# Altium PCB rev5.PcbDoc (part 1 of 4)
Units mil, origin at the board's own origin, x right, y up, seen from the top; angles counter-clockwise.
Board outline 1000 x 900 mil, 2 copper layers (Top Layer, Bottom Layer); 162 components, 16 nets, 1728 pads, 0 vias.
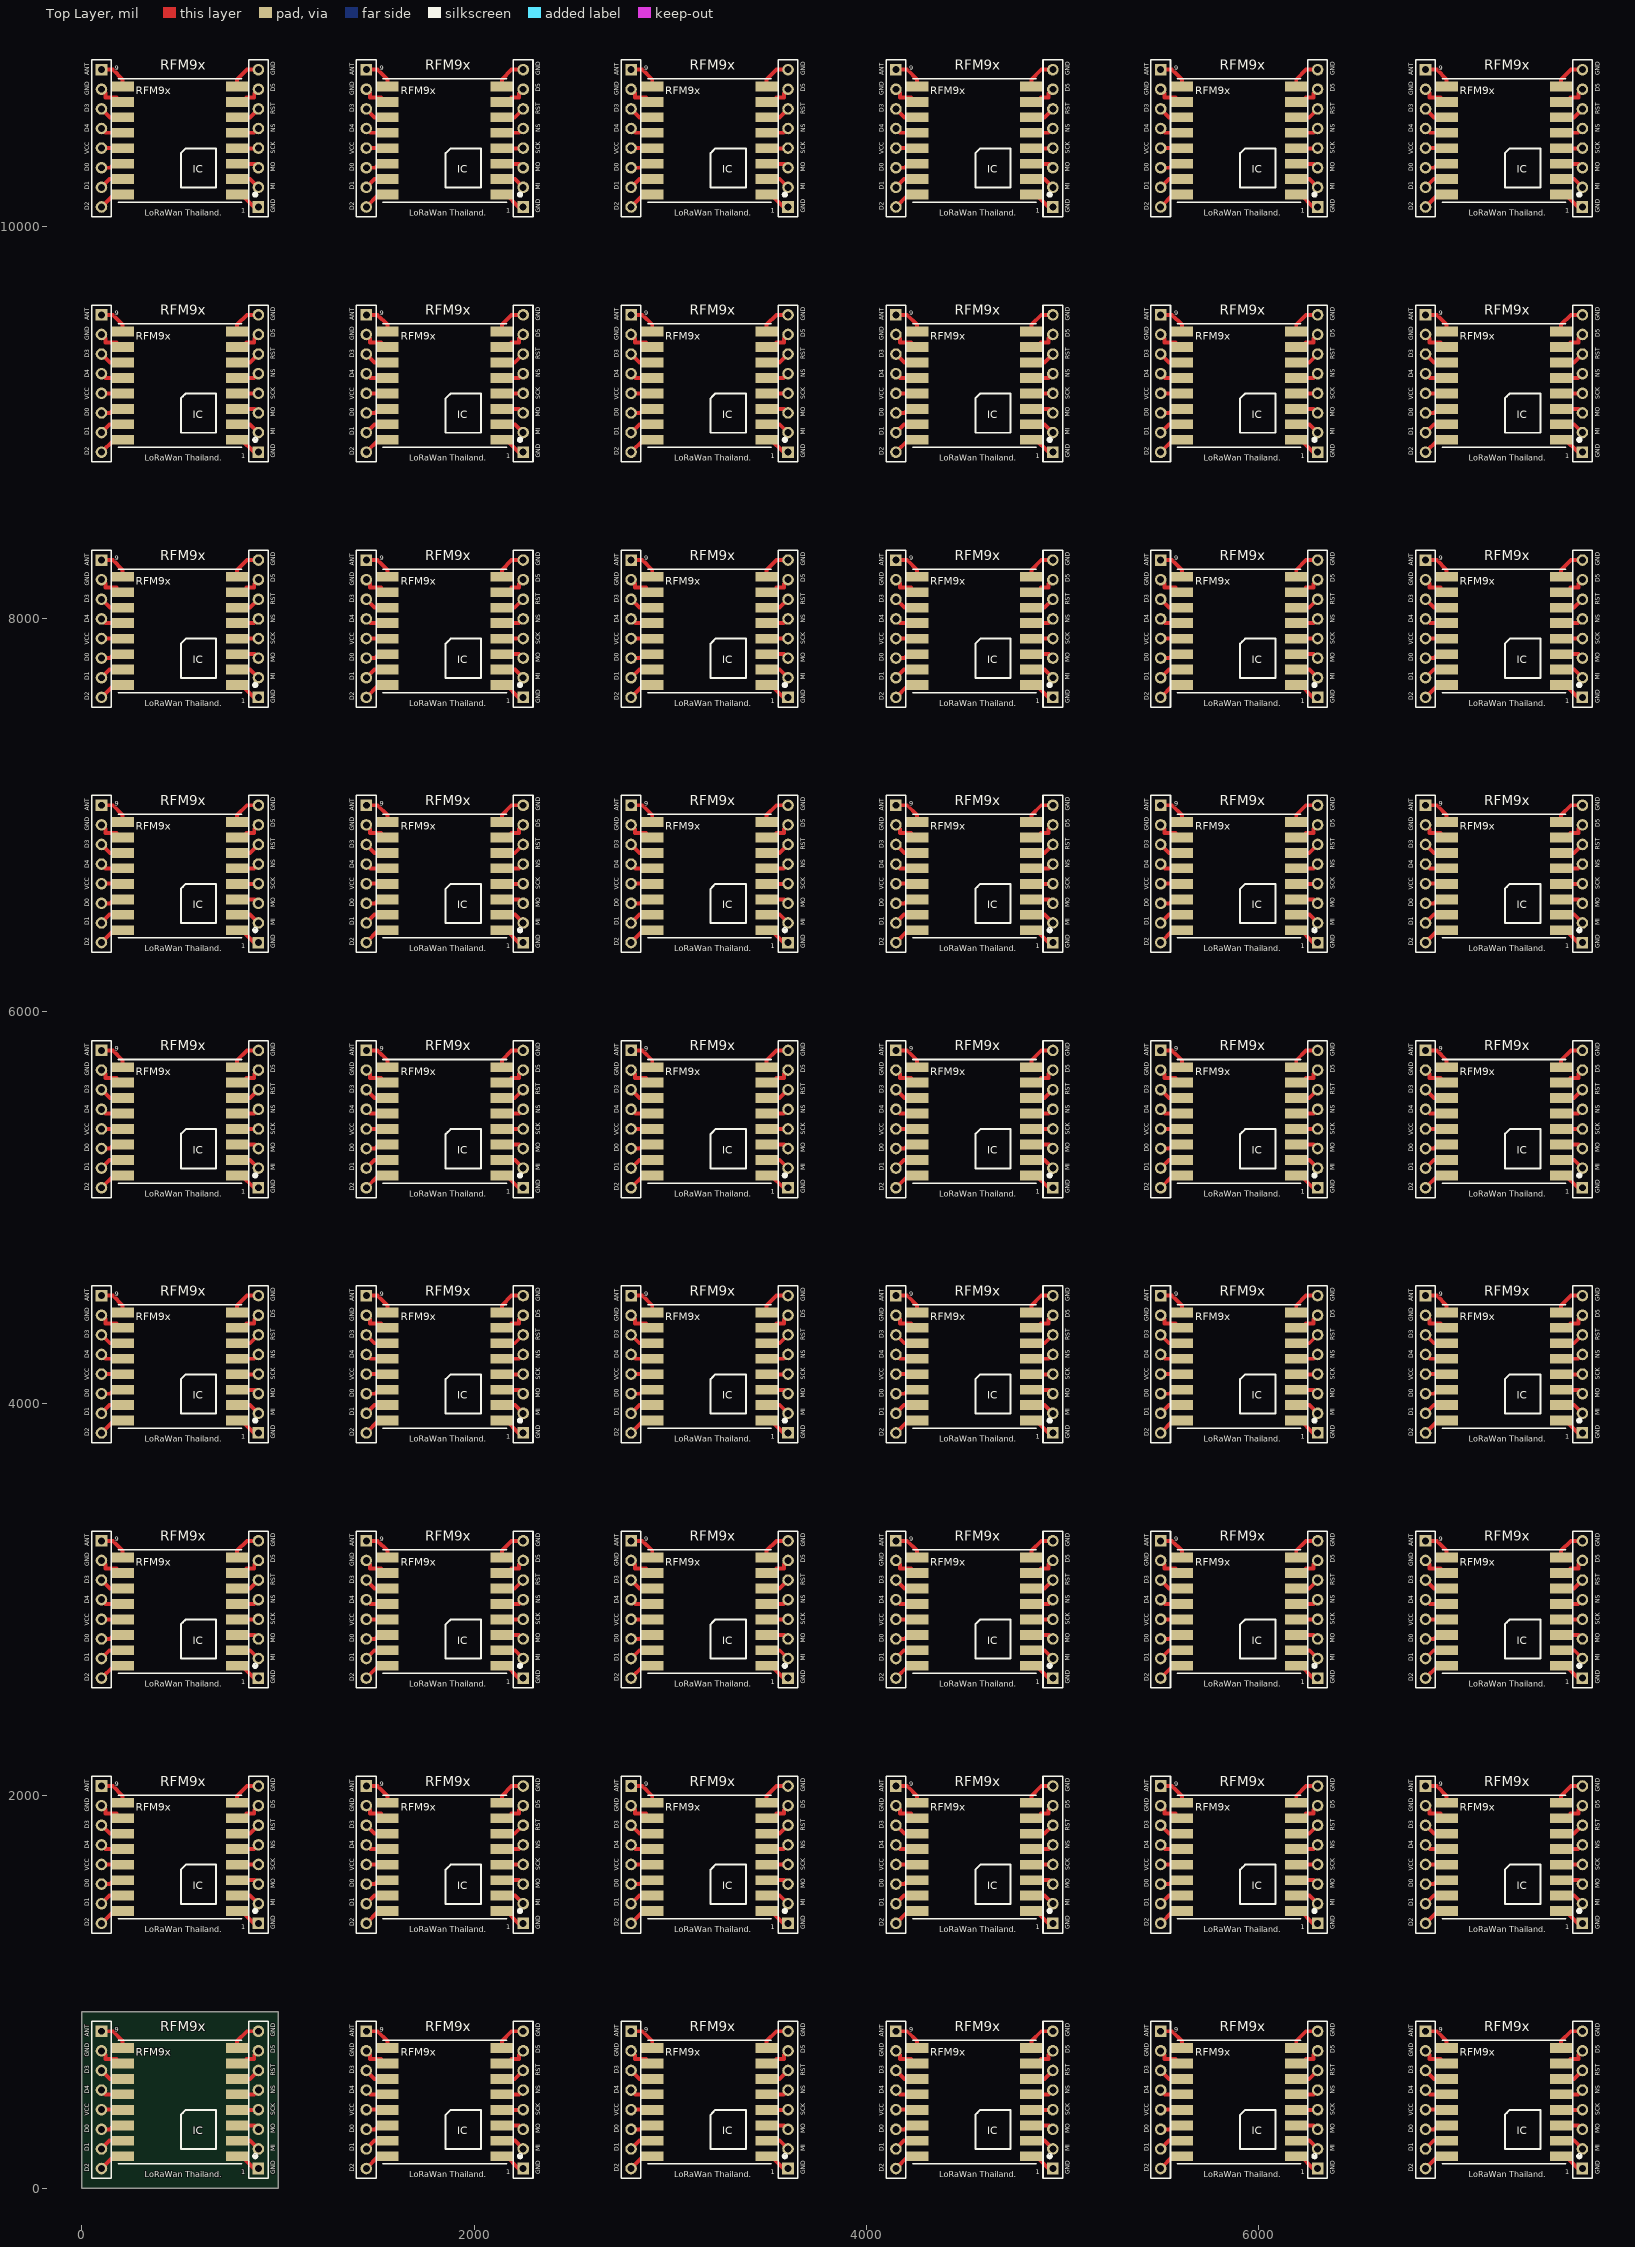
[diagram p0: Top Layer view]
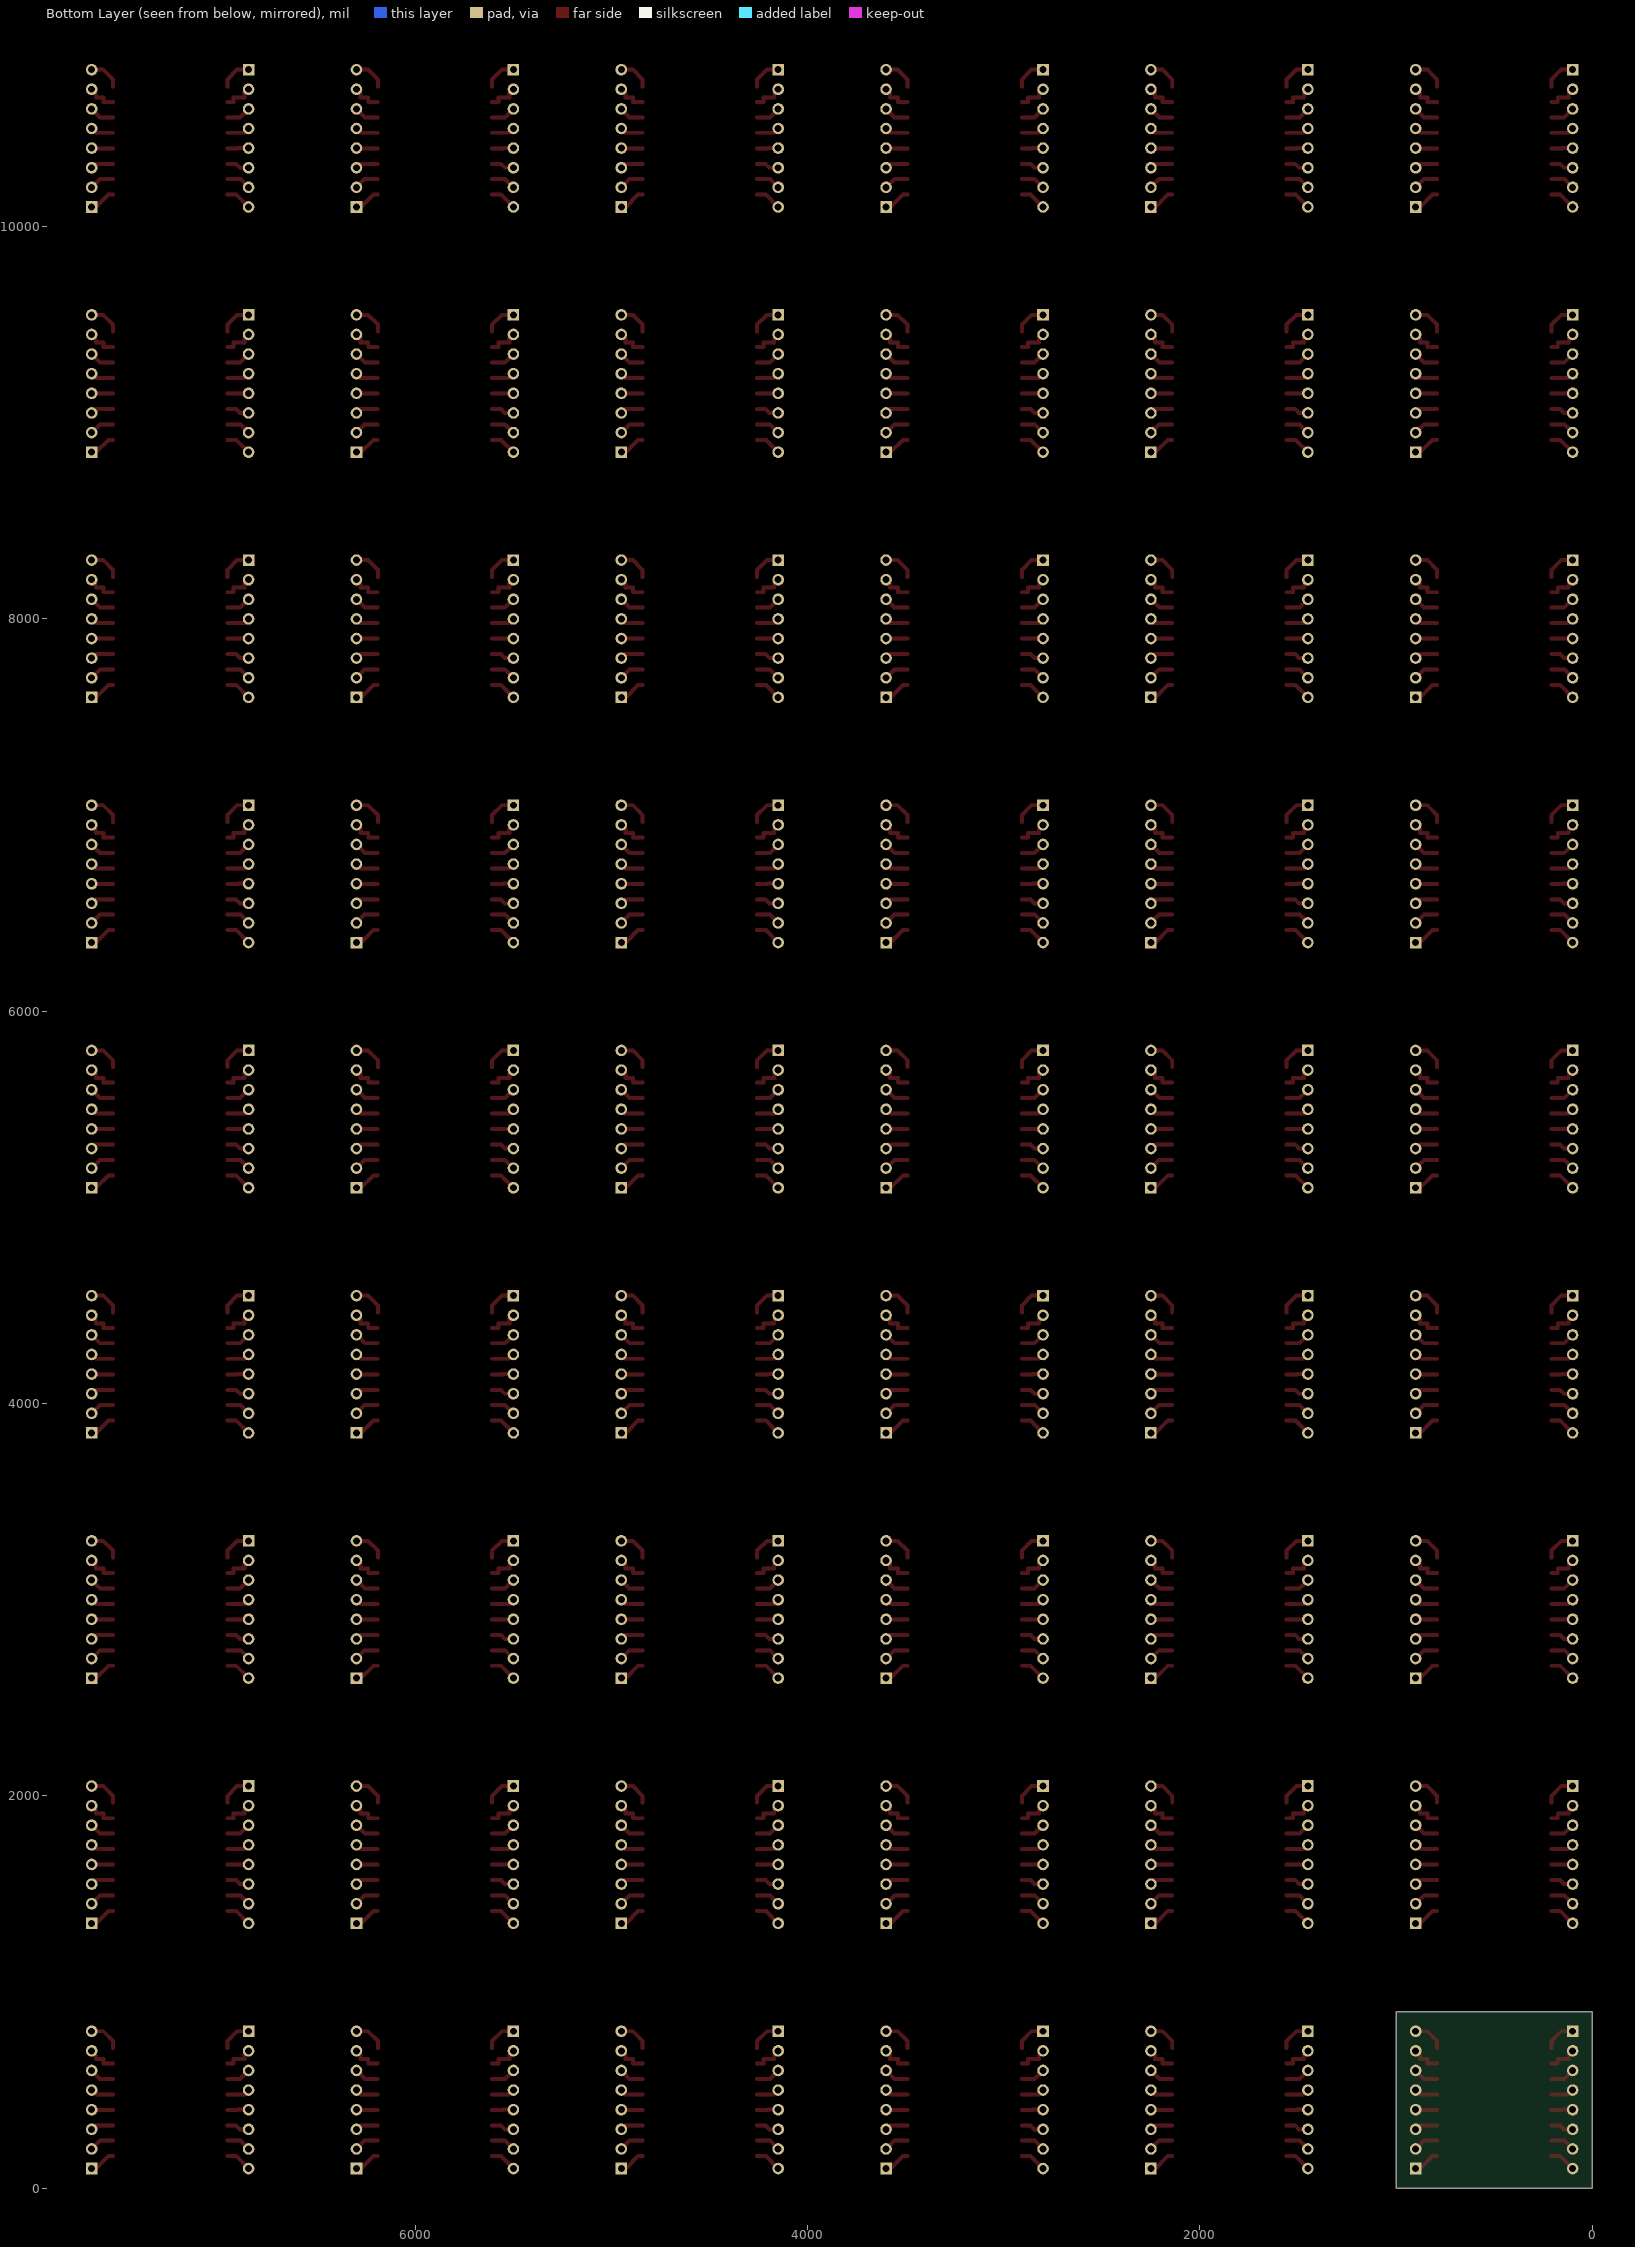
[diagram p1: Bottom Layer view, seen from below]

## Layer stack, top to bottom
Top Solder: solder mask 0.4, Solder Resist, Dk 3.5
Top Layer: signal copper 1.4
Dielectric 1: dielectric 12.6, FR-4, Dk 4.8
Bottom Layer: signal copper 1.4
Bottom Solder: solder mask 0.4, Solder Resist, Dk 3.5

## Board outline
0,0 1000,0 1000,900 0,900

## Design rules (kind name [scope] priority, off if disabled: settings)
Clearance [All] p1: gap=20
PolygonConnect [All] p1: connectstyle=Relief reliefconductorwidth=10 reliefentries=4 polygonreliefangle="90 Angle" airgapwidth=10
RoutingVias [All] p1: holewidth=28 width=50 viastyle="Through Hole" minholewidth=28 minwidth=50 maxholewidth=28 maxwidth=50
SolderMaskExpansion [All] p1: expansion=4
Width [All] p1: maxlimit=20 minlimit=20 preferedwidth=20
30 further rules are at their usual default settings.

## Components (designator, comment, footprint, x,y, rotation, side; value= is the part's Value field where it differs from the comment)
1 "Header 8" HDR1X8 7650,7600 r90 top (schematic designator P1)
1 "Header 8" HDR1X8 7650,8850 r90 top (schematic designator P1)
1 "Header 8" HDR1X8 7650,5100 r90 top (schematic designator P1)
1 "Header 8" HDR1X8 7650,1350 r90 top (schematic designator P1)
1 "Header 8" HDR1X8 7650,10100 r90 top (schematic designator P1)
1 "Header 8" HDR1X8 7650,6350 r90 top (schematic designator P1)
1 "Header 8" HDR1X8 7650,3850 r90 top (schematic designator P1)
1 "Header 8" HDR1X8 7650,2600 r90 top (schematic designator P1)
1 "Header 8" HDR1X8 7650,100 r90 top (schematic designator P1)
1 "Header 8" HDR1X8 3600,10100 r90 top (schematic designator P1)
1 "Header 8" HDR1X8 2250,10100 r90 top (schematic designator P1)
1 "Header 8" HDR1X8 6300,10100 r90 top (schematic designator P1)
1 "Header 8" HDR1X8 4950,10100 r90 top (schematic designator P1)
1 "Header 8" HDR1X8 900,10100 r90 top (schematic designator P1)
1 "Header 8" HDR1X8 3600,8850 r90 top (schematic designator P1)
1 "Header 8" HDR1X8 2250,8850 r90 top (schematic designator P1)
1 "Header 8" HDR1X8 6300,8850 r90 top (schematic designator P1)
1 "Header 8" HDR1X8 4950,8850 r90 top (schematic designator P1)
1 "Header 8" HDR1X8 900,8850 r90 top (schematic designator P1)
1 "Header 8" HDR1X8 3600,7600 r90 top (schematic designator P1)
1 "Header 8" HDR1X8 2250,7600 r90 top (schematic designator P1)
1 "Header 8" HDR1X8 6300,7600 r90 top (schematic designator P1)
1 "Header 8" HDR1X8 4950,7600 r90 top (schematic designator P1)
1 "Header 8" HDR1X8 900,7600 r90 top (schematic designator P1)
1 "Header 8" HDR1X8 3600,6350 r90 top (schematic designator P1)
1 "Header 8" HDR1X8 2250,6350 r90 top (schematic designator P1)
1 "Header 8" HDR1X8 6300,6350 r90 top (schematic designator P1)
1 "Header 8" HDR1X8 4950,6350 r90 top (schematic designator P1)
1 "Header 8" HDR1X8 900,6350 r90 top (schematic designator P1)
1 "Header 8" HDR1X8 3600,5100 r90 top (schematic designator P1)
1 "Header 8" HDR1X8 2250,5100 r90 top (schematic designator P1)
1 "Header 8" HDR1X8 6300,5100 r90 top (schematic designator P1)
1 "Header 8" HDR1X8 4950,5100 r90 top (schematic designator P1)
1 "Header 8" HDR1X8 900,5100 r90 top (schematic designator P1)
1 "Header 8" HDR1X8 3600,3850 r90 top (schematic designator P1)
1 "Header 8" HDR1X8 2250,3850 r90 top (schematic designator P1)
1 "Header 8" HDR1X8 6300,3850 r90 top (schematic designator P1)
1 "Header 8" HDR1X8 4950,3850 r90 top (schematic designator P1)
1 "Header 8" HDR1X8 900,3850 r90 top (schematic designator P1)
1 "Header 8" HDR1X8 3600,2600 r90 top (schematic designator P1)
1 "Header 8" HDR1X8 2250,2600 r90 top (schematic designator P1)
1 "Header 8" HDR1X8 6300,2600 r90 top (schematic designator P1)
1 "Header 8" HDR1X8 4950,2600 r90 top (schematic designator P1)
1 "Header 8" HDR1X8 900,2600 r90 top (schematic designator P1)
1 "Header 8" HDR1X8 3600,1350 r90 top (schematic designator P1)
1 "Header 8" HDR1X8 2250,1350 r90 top (schematic designator P1)
1 "Header 8" HDR1X8 6300,1350 r90 top (schematic designator P1)
1 "Header 8" HDR1X8 4950,1350 r90 top (schematic designator P1)
1 "Header 8" HDR1X8 900,1350 r90 top (schematic designator P1)
1 "Header 8" HDR1X8 6300,100 r90 top (schematic designator P1)
1 "Header 8" HDR1X8 4950,100 r90 top (schematic designator P1)
1 "Header 8" HDR1X8 3600,100 r90 top (schematic designator P1)
1 "Header 8" HDR1X8 2250,100 r90 top (schematic designator P1)
1 "Header 8" HDR1X8 900,100 r90 top (schematic designator P1)
9 "Header 8" HDR1X8 6850,8300 r270 top (schematic designator P2)
9 "Header 8" HDR1X8 6850,9550 r270 top (schematic designator P2)
9 "Header 8" HDR1X8 6850,5800 r270 top (schematic designator P2)
9 "Header 8" HDR1X8 6850,3300 r270 top (schematic designator P2)
9 "Header 8" HDR1X8 6850,10800 r270 top (schematic designator P2)
9 "Header 8" HDR1X8 6850,7050 r270 top (schematic designator P2)
9 "Header 8" HDR1X8 6850,4550 r270 top (schematic designator P2)
9 "Header 8" HDR1X8 6850,2050 r270 top (schematic designator P2)
9 "Header 8" HDR1X8 6850,800 r270 top (schematic designator P2)
9 "Header 8" HDR1X8 2800,10800 r270 top (schematic designator P2)
9 "Header 8" HDR1X8 1450,10800 r270 top (schematic designator P2)
9 "Header 8" HDR1X8 5500,10800 r270 top (schematic designator P2)
9 "Header 8" HDR1X8 4150,10800 r270 top (schematic designator P2)
9 "Header 8" HDR1X8 100,10800 r270 top (schematic designator P2)
9 "Header 8" HDR1X8 2800,9550 r270 top (schematic designator P2)
9 "Header 8" HDR1X8 1450,9550 r270 top (schematic designator P2)
9 "Header 8" HDR1X8 5500,9550 r270 top (schematic designator P2)
9 "Header 8" HDR1X8 4150,9550 r270 top (schematic designator P2)
9 "Header 8" HDR1X8 100,9550 r270 top (schematic designator P2)
9 "Header 8" HDR1X8 2800,8300 r270 top (schematic designator P2)
9 "Header 8" HDR1X8 1450,8300 r270 top (schematic designator P2)
9 "Header 8" HDR1X8 5500,8300 r270 top (schematic designator P2)
9 "Header 8" HDR1X8 4150,8300 r270 top (schematic designator P2)
9 "Header 8" HDR1X8 100,8300 r270 top (schematic designator P2)
9 "Header 8" HDR1X8 2800,7050 r270 top (schematic designator P2)
9 "Header 8" HDR1X8 1450,7050 r270 top (schematic designator P2)
9 "Header 8" HDR1X8 5500,7050 r270 top (schematic designator P2)
9 "Header 8" HDR1X8 4150,7050 r270 top (schematic designator P2)
9 "Header 8" HDR1X8 100,7050 r270 top (schematic designator P2)
9 "Header 8" HDR1X8 2800,5800 r270 top (schematic designator P2)
9 "Header 8" HDR1X8 1450,5800 r270 top (schematic designator P2)
9 "Header 8" HDR1X8 5500,5800 r270 top (schematic designator P2)
9 "Header 8" HDR1X8 4150,5800 r270 top (schematic designator P2)
9 "Header 8" HDR1X8 100,5800 r270 top (schematic designator P2)
9 "Header 8" HDR1X8 2800,4550 r270 top (schematic designator P2)
9 "Header 8" HDR1X8 1450,4550 r270 top (schematic designator P2)
9 "Header 8" HDR1X8 5500,4550 r270 top (schematic designator P2)
9 "Header 8" HDR1X8 4150,4550 r270 top (schematic designator P2)
9 "Header 8" HDR1X8 100,4550 r270 top (schematic designator P2)
9 "Header 8" HDR1X8 2800,3300 r270 top (schematic designator P2)
9 "Header 8" HDR1X8 1450,3300 r270 top (schematic designator P2)
9 "Header 8" HDR1X8 5500,3300 r270 top (schematic designator P2)
9 "Header 8" HDR1X8 4150,3300 r270 top (schematic designator P2)
9 "Header 8" HDR1X8 100,3300 r270 top (schematic designator P2)
9 "Header 8" HDR1X8 2800,2050 r270 top (schematic designator P2)
9 "Header 8" HDR1X8 1450,2050 r270 top (schematic designator P2)
9 "Header 8" HDR1X8 5500,2050 r270 top (schematic designator P2)
9 "Header 8" HDR1X8 4150,2050 r270 top (schematic designator P2)
9 "Header 8" HDR1X8 100,2050 r270 top (schematic designator P2)
9 "Header 8" HDR1X8 5500,800 r270 top (schematic designator P2)
9 "Header 8" HDR1X8 4150,800 r270 top (schematic designator P2)
9 "Header 8" HDR1X8 2800,800 r270 top (schematic designator P2)
9 "Header 8" HDR1X8 1450,800 r270 top (schematic designator P2)
9 "Header 8" HDR1X8 100,800 r270 top (schematic designator P2)
RFM9x "LoRa SX1276" XCVR_RFM95W-868S2 7250,7939 r180 top
RFM9x "LoRa SX1276" XCVR_RFM95W-868S2 7250,10439 r180 top
RFM9x "LoRa SX1276" XCVR_RFM95W-868S2 7250,9189 r180 top
RFM9x "LoRa SX1276" XCVR_RFM95W-868S2 7250,6689 r180 top
RFM9x "LoRa SX1276" XCVR_RFM95W-868S2 7250,5439 r180 top
RFM9x "LoRa SX1276" XCVR_RFM95W-868S2 7250,4189 r180 top
RFM9x "LoRa SX1276" XCVR_RFM95W-868S2 7250,2939 r180 top
RFM9x "LoRa SX1276" XCVR_RFM95W-868S2 7250,1689 r180 top
RFM9x "LoRa SX1276" XCVR_RFM95W-868S2 7250,439 r180 top
RFM9x "LoRa SX1276" XCVR_RFM95W-868S2 5900,10439 r180 top
RFM9x "LoRa SX1276" XCVR_RFM95W-868S2 4550,10439 r180 top
RFM9x "LoRa SX1276" XCVR_RFM95W-868S2 3200,10439 r180 top
RFM9x "LoRa SX1276" XCVR_RFM95W-868S2 1850,10439 r180 top
RFM9x "LoRa SX1276" XCVR_RFM95W-868S2 500,10439 r180 top
RFM9x "LoRa SX1276" XCVR_RFM95W-868S2 5900,9189 r180 top
RFM9x "LoRa SX1276" XCVR_RFM95W-868S2 4550,9189 r180 top
RFM9x "LoRa SX1276" XCVR_RFM95W-868S2 3200,9189 r180 top
RFM9x "LoRa SX1276" XCVR_RFM95W-868S2 1850,9189 r180 top
RFM9x "LoRa SX1276" XCVR_RFM95W-868S2 500,9189 r180 top
RFM9x "LoRa SX1276" XCVR_RFM95W-868S2 5900,7939 r180 top
RFM9x "LoRa SX1276" XCVR_RFM95W-868S2 4550,7939 r180 top
RFM9x "LoRa SX1276" XCVR_RFM95W-868S2 3200,7939 r180 top
RFM9x "LoRa SX1276" XCVR_RFM95W-868S2 1850,7939 r180 top
RFM9x "LoRa SX1276" XCVR_RFM95W-868S2 500,7939 r180 top
RFM9x "LoRa SX1276" XCVR_RFM95W-868S2 5900,6689 r180 top
RFM9x "LoRa SX1276" XCVR_RFM95W-868S2 4550,6689 r180 top
RFM9x "LoRa SX1276" XCVR_RFM95W-868S2 3200,6689 r180 top
RFM9x "LoRa SX1276" XCVR_RFM95W-868S2 1850,6689 r180 top
RFM9x "LoRa SX1276" XCVR_RFM95W-868S2 500,6689 r180 top
RFM9x "LoRa SX1276" XCVR_RFM95W-868S2 5900,5439 r180 top
RFM9x "LoRa SX1276" XCVR_RFM95W-868S2 4550,5439 r180 top
RFM9x "LoRa SX1276" XCVR_RFM95W-868S2 3200,5439 r180 top
RFM9x "LoRa SX1276" XCVR_RFM95W-868S2 1850,5439 r180 top
RFM9x "LoRa SX1276" XCVR_RFM95W-868S2 500,5439 r180 top
RFM9x "LoRa SX1276" XCVR_RFM95W-868S2 5900,4189 r180 top
RFM9x "LoRa SX1276" XCVR_RFM95W-868S2 4550,4189 r180 top
RFM9x "LoRa SX1276" XCVR_RFM95W-868S2 3200,4189 r180 top
RFM9x "LoRa SX1276" XCVR_RFM95W-868S2 1850,4189 r180 top
RFM9x "LoRa SX1276" XCVR_RFM95W-868S2 500,4189 r180 top
RFM9x "LoRa SX1276" XCVR_RFM95W-868S2 5900,2939 r180 top
RFM9x "LoRa SX1276" XCVR_RFM95W-868S2 4550,2939 r180 top
RFM9x "LoRa SX1276" XCVR_RFM95W-868S2 3200,2939 r180 top
RFM9x "LoRa SX1276" XCVR_RFM95W-868S2 1850,2939 r180 top
RFM9x "LoRa SX1276" XCVR_RFM95W-868S2 500,2939 r180 top
RFM9x "LoRa SX1276" XCVR_RFM95W-868S2 5900,1689 r180 top
RFM9x "LoRa SX1276" XCVR_RFM95W-868S2 4550,1689 r180 top
RFM9x "LoRa SX1276" XCVR_RFM95W-868S2 3200,1689 r180 top
RFM9x "LoRa SX1276" XCVR_RFM95W-868S2 1850,1689 r180 top
RFM9x "LoRa SX1276" XCVR_RFM95W-868S2 500,1689 r180 top
RFM9x "LoRa SX1276" XCVR_RFM95W-868S2 5900,439 r180 top
RFM9x "LoRa SX1276" XCVR_RFM95W-868S2 4550,439 r180 top
RFM9x "LoRa SX1276" XCVR_RFM95W-868S2 3200,439 r180 top
RFM9x "LoRa SX1276" XCVR_RFM95W-868S2 1850,439 r180 top
RFM9x "LoRa SX1276" XCVR_RFM95W-868S2 500,439 r180 top

## Footprints (in the part's own frame and the unit in brackets; to place one, negate y for a bottom-side part, rotate by r counter-clockwise, add the part's x,y. Pads: shape width x height; smd on the part's side, far side on the other; paste and mask are expansions set on the pad)
HDR1X8 [mm] "Connector; Header; 8 Position"
  rect 1.5x1.5 hole 0.9: 1(0,0)
  round 1.5 hole 0.9: 2(2.54,0) 3(5.08,0) 4(7.62,0) 5(10.16,0) 6(12.7,0) 7(15.24,0) 8(17.78,0)
  silkscreen extent -1.27,-1.27 19.05,1.27
XCVR_RFM95W-868S2 [mil]
  rect 115x50 smd: 1(-291.34,276) 2(-291.34,197) 3(-291.34,119) 4(-291.34,40) 5(-291.34,-39.37) 6(-291.34,-118.11) 7(-291.34,-196.85) 8(-291.34,-275.59) 9(292,-275.59) 10(292,-196.85) 11(292,-118.11) 12(292,-39.37) 13(292,40) 14(292,119) 15(292,197) 16(292,276)
  silkscreen extent -396,-315 315,315, body extent -315,-313 315,313, height 88

## Part data
1 1 1 1 1 1 1 1 1 1 1 1 1 1 1 1 1 1 1 1 1 1 1 1 1 1 1 1 1 1 1 1 1 1 1 1 1 1 1 1 1 1 1 1 1 1 1 1 1 1 1 1 1 1 9 9 9 9 9 9 9 9 9 9 9 9 9 9 9 9 9 9 9 9 9 9 9 9 9 9 9 9 9 9 9 9 9 9 9 9 9 9 9 9 9 9 9 9 9 9 9 9 9 9 9 9 9 9: "Header, 8-Pin"
RFM9x RFM9x RFM9x RFM9x RFM9x RFM9x RFM9x RFM9x RFM9x RFM9x RFM9x RFM9x RFM9x RFM9x RFM9x RFM9x RFM9x RFM9x RFM9x RFM9x RFM9x RFM9x RFM9x RFM9x RFM9x RFM9x RFM9x RFM9x RFM9x RFM9x RFM9x RFM9x RFM9x RFM9x RFM9x RFM9x RFM9x RFM9x RFM9x RFM9x RFM9x RFM9x RFM9x RFM9x RFM9x RFM9x RFM9x RFM9x RFM9x RFM9x RFM9x RFM9x RFM9x RFM9x: library part RFM95W-868S2

## Nets (pads, with @x,y where several pads share a name; then routed paths per layer and width w, separated by ;. In a path a pad name is that pad's centre, name@x,y a point inside that pad or via, vN(x,y) a via of type N, cw(c..) or ccw(c..) an arc to the next point about the centre after c; other vN are vias at no path point)
NetP1_1: 1.1@900,100 RFM9x.1@791.34,163 | length 134.8
  Top Layer w20: RFM9x.1@791.34,163 814,163 877,100 1.1@900,100
NetP1_2: 1.2@900,200 RFM9x.2@791.34,242 | length 126.1
  Top Layer w20: RFM9x.2@791.34,242 858,242 1.2@900,200
NetP1_3: 1.3@900,300 RFM9x.3@791.34,320 | length 116.9
  Top Layer w20: RFM9x.3@791.34,320 880,320 1.3@900,300
NetP1_4: 1.4@900,400 RFM9x.4@791.34,399 | length 109.1
  Top Layer w20: RFM9x.4@791.34,399 899,399 1.4@900,400
NetP1_5: 1.5@900,500 RFM9x.5@791.34,478.37 | length 117.6
  Top Layer w20: RFM9x.5@791.34,478.37 878.37,478.37 1.5@900,500
NetP1_6: 1.6@900,600 RFM9x.6@791.34,557.11 | length 126.4
  Top Layer w20: RFM9x.6@791.34,557.11 857.11,557.11 1.6@900,600
NetP1_7: 1.7@900,700 RFM9x.7@791.34,635.85 | length 160.5
  Top Layer w20: RFM9x.7@791.34,635.85 840,635.85 840,659 879,659 879,679 1.7@900,700
NetP1_8: 1.8@900,800 RFM9x.8@791.34,714.59 | length 165.5
  Top Layer w20: RFM9x.8@791.34,714.59 791,714.59 791,750 841,800 1.8@900,800
NetP2_1: 9.1@100,800 RFM9x.9@208,714.59 | length 164.1
  Top Layer w20: 9.1@100,800 158,800 208,750 RFM9x.9@208,714.59
NetP2_2: 9.2@100,700 RFM9x.10@208,635.85 | length 160.4
  Top Layer w20: 9.2@100,700 120,680 120,659 176,659 176,635.85 RFM9x.10@208,635.85
NetP2_3: 9.3@100,600 RFM9x.11@208,557.11 | length 125.8
  Top Layer w20: 9.3@100,600 142.89,557.11 RFM9x.11@208,557.11
NetP2_4: 9.4@100,500 RFM9x.12@208,478.37 | length 117
  Top Layer w20: 9.4@100,500 121.63,478.37 RFM9x.12@208,478.37
NetP2_5: 9.5@100,400 RFM9x.13@208,399 | length 108.4
  Top Layer w20: 9.5@100,400 153,400 154,399 RFM9x.13@208,399
NetP2_6: 9.6@100,300 RFM9x.14@208,320 | length 116.3
  Top Layer w20: 9.6@100,300 144,300 164,320 RFM9x.14@208,320
NetP2_7: 9.7@100,200 RFM9x.15@208,242 | length 125.4
  Top Layer w20: 9.7@100,200 142,242 RFM9x.15@208,242
NetP2_8: 9.8@100,100 RFM9x.16@208,163 | length 134.1
  Top Layer w20: 9.8@100,100 163,163 RFM9x.16@208,163